# Altium PCB Gebru.PcbDoc (part 2 of 3)
Units mil, origin at the board's own origin, x right, y up, seen from the top; angles counter-clockwise.
Board outline 4231.75 x 4231.75 mil, 6 copper layers (Top Layer, GND, SL1, SL2, PWR, Bottom Layer), stack 58 mil thick; 203 components, 133 nets, 588 pads, 760 vias.
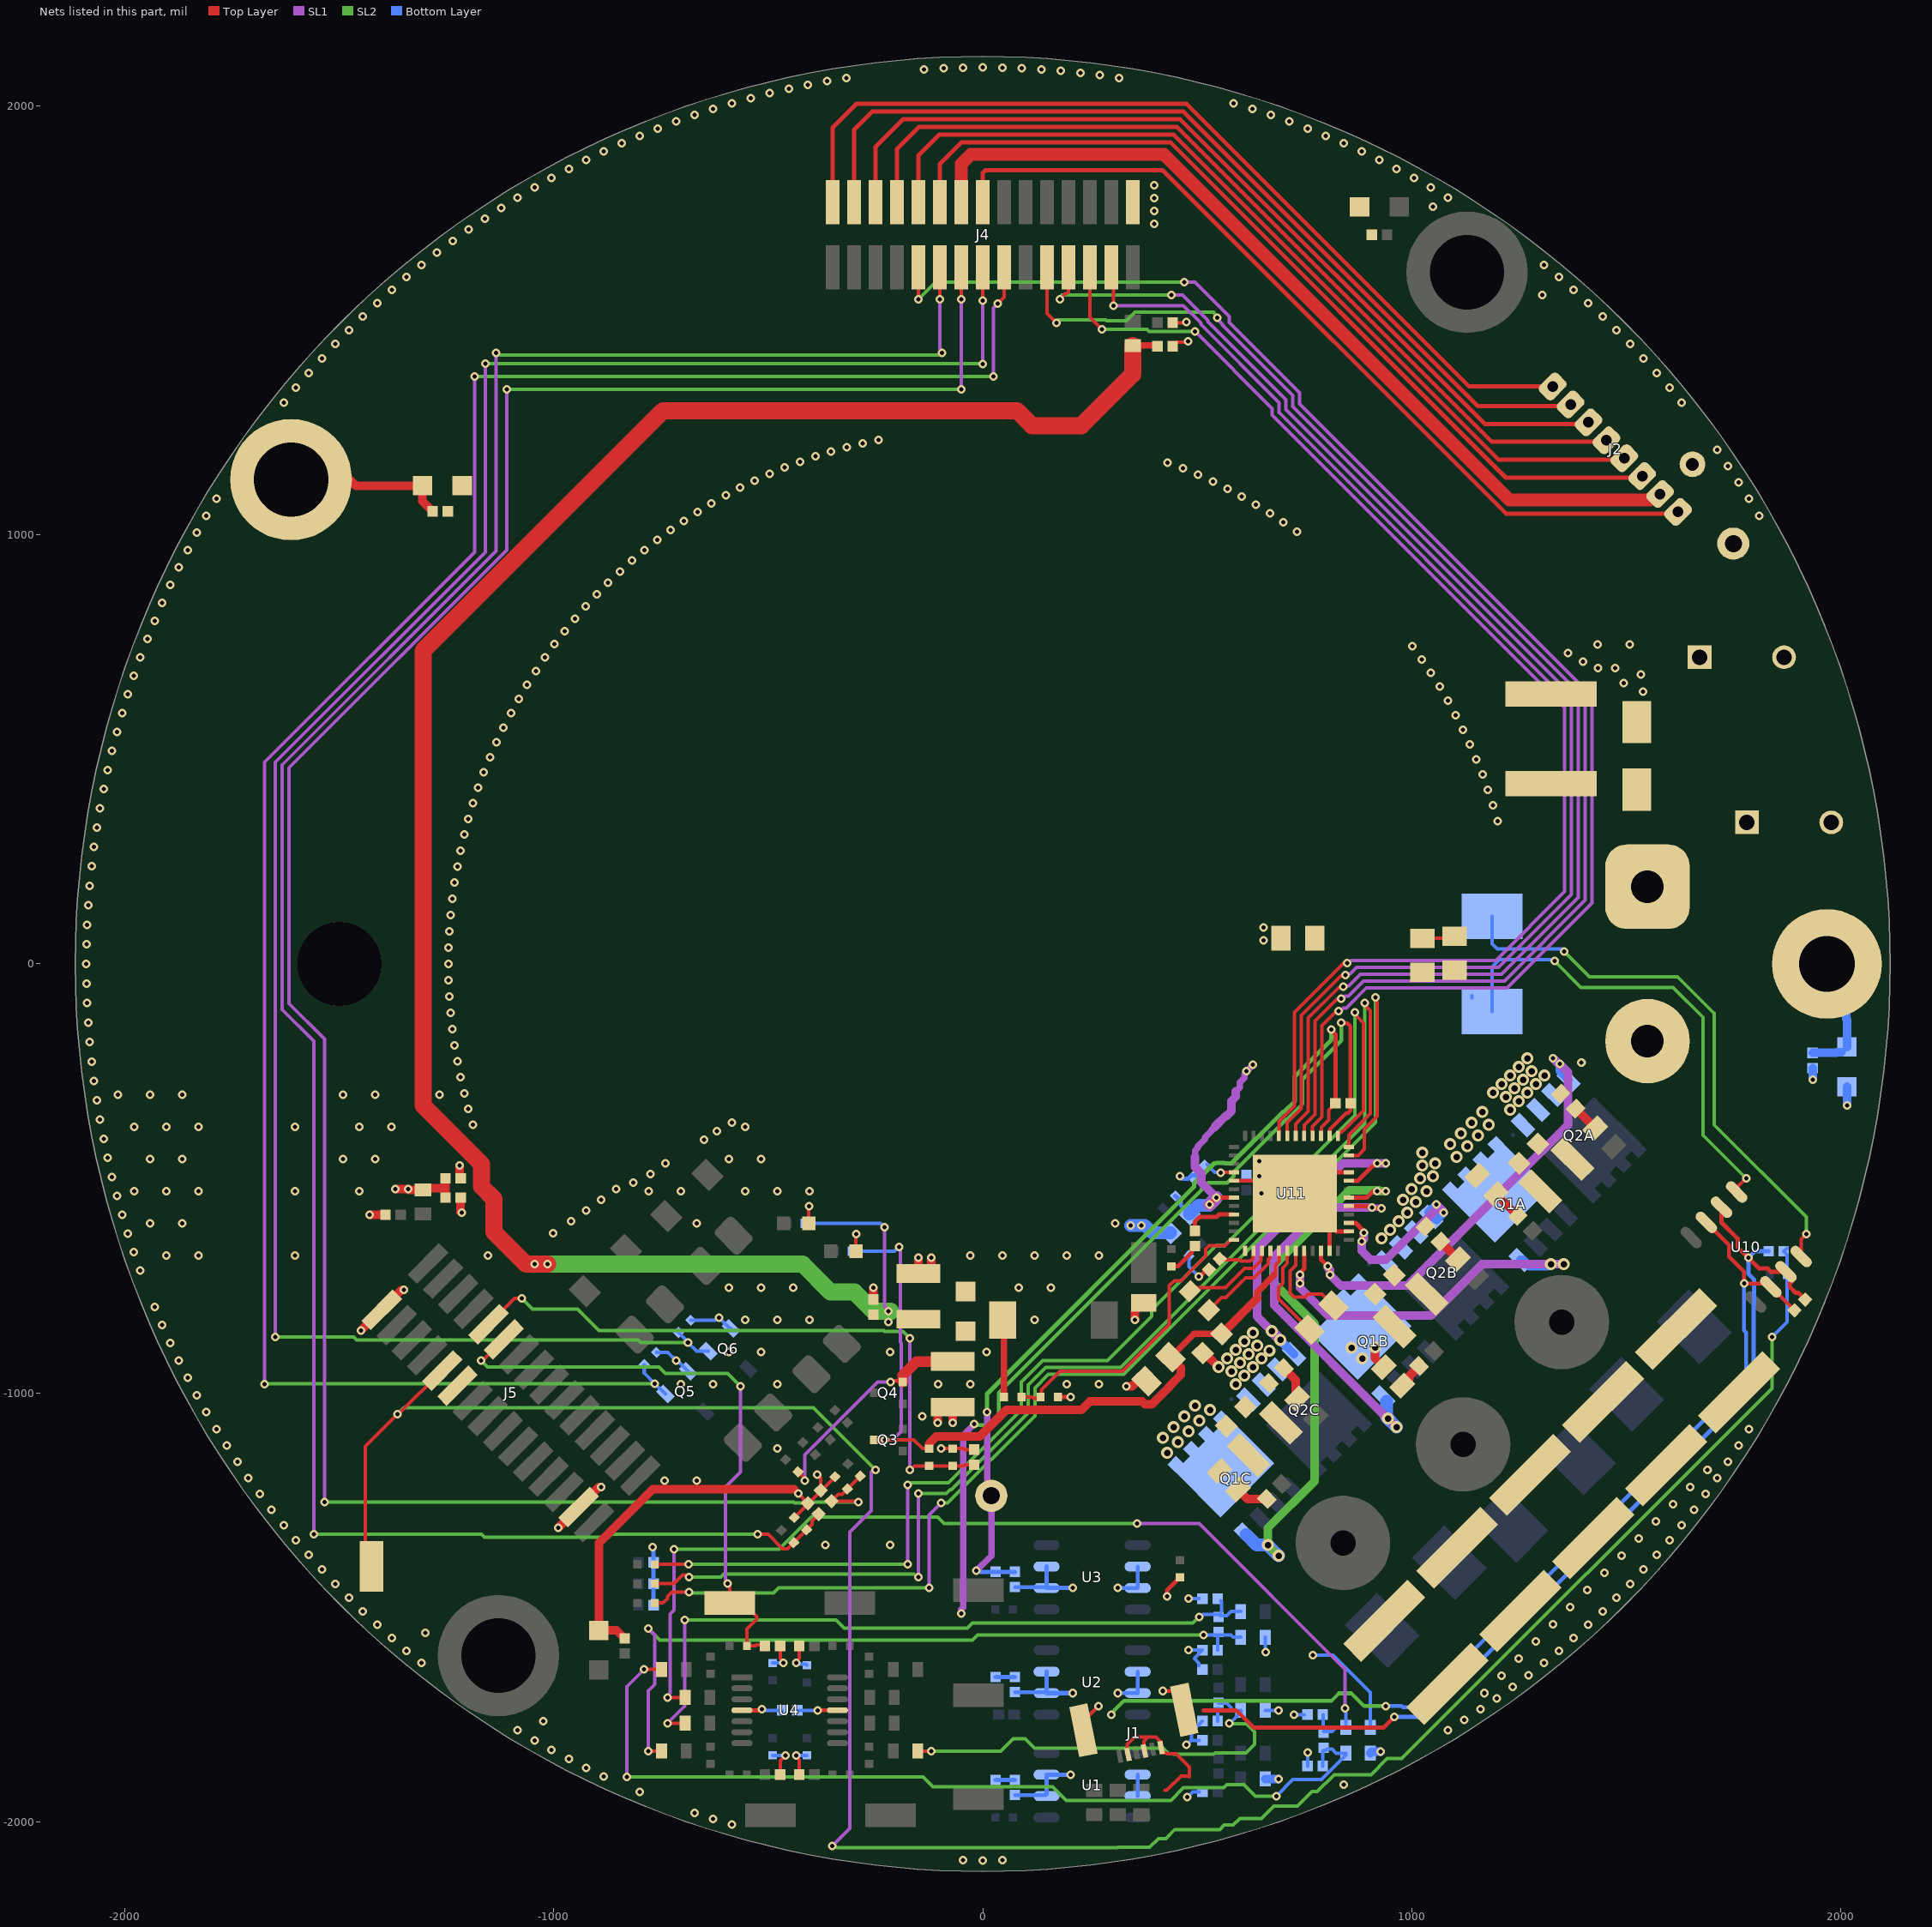
[diagram p6: the nets of this part, all layers, seen from the top]

## Part data (continued)
R23: library part 175, "SENSOR, THERMISTOR, NTC, 10K, 1%, 3380K, 100mW, 0402", Operating Temperature="-40°C ~ 125°C", Package=0402, Supplier Part Number 1=490-4801-1-ND, Category=Sensors, ComponentLink1Description=Datasheet, ComponentLink1URL=https://www.murata.com/en-us/api/pdfdownloadapi?cate=&partno=NCP15XH103F03RC, EES=550-00601-00, Height=0.55mm, HEIGHT (MAX)=0.55mm, HelpURL=https://www.digikey.com/product-detail/en/murata-electronics/NCP15XH103F03RC/490-4801-1-ND/1644682, ID=175, MFG="Murata Electronics", MFG P/N=NCP15XH103F03RC, Mounting Type="Surface Mount", RoHS Compliant=Yes, SENSOR TYPE="THERMISTOR NTC", Status=Released, Supplier 1=Digi-Key
R24A R24B R24C: library part R, "High power thick film 0805 resistor such as Vishay CRCW-HP e3 series CRCW08053R90DKEAHP", Power Rating=500mW, Temperature Coefficient=100ppm/°C, Tolerance=1%, Voltage Rating=150V, Resistance=3.9R, Size Code=0805
R27 R28 R30 R31 R34 R35 R37 R39 R41 R42 R44 R45 R48 R49 R51 R52: library part 6516, "RES, 100K, 1%, 1/10W, 0603, AUTO GRADE", Package=0603, Power=1/10W, Tolerance=1%, COMMON=470-00120-00, ID=6516, MFG=PANASONIC, MFG P/N=ERJ3EKF1003V, PROXY="Use ID #8458", Status=Released, XPN=470-00120-00
R54A R54B R54C: library part R, "High power thick film 0805 resistor such as Vishay CRCW-HP e3 series CRCW08052R00DKEAHP", Power Rating=500mW, Temperature Coefficient=100ppm/°C, Tolerance=1%, Voltage Rating=150V, Resistance=2R, Size Code=0805
R59: library part 8099, "RES, 56K, 1%, 1/16W, 0402", Package=0402, Power=1/16W, Tolerance=1%, COMMON=470-02723-00, ID=8099, MFG=VISHAY, MFG P/N=CRCW040256K0FKED, PROXY=470-16033-00, Status=Released, XPN=XS-10013985
R61: library part 9146, "RES, 6.19K, 1%, 1/16W, 0402", Package=0402, Power=1/16W, Supplier Part Number 1=311-6.19KLRCT-ND, Tolerance=1%, ComponentLink1Description=Datasheet, ComponentLink1URL=http://www.yageo.com/documents/recent/PYu-RC_Group_51_RoHS_L_10.pdf, Height=0.40mm, HelpURL=https://www.digikey.in/product-detail/en/yageo/RC0402FR-076K19L/311-6.19KLRCT-ND/2827950, ID=9146, MFG=Yageo, MFG P/N=RC0402FR-076K19L, PROXY=470-16530-00, Status=Released, Supplier 1=Digi-Key
R65 R66: library part 4849, "RES, 68.1K, 1%, 1/16W, 0402", Package=0402, Power=1/16W, Supplier Part Number 1=541-68.1KLCT-ND, Tolerance=1%, COMMON=470-03513-00, Height=0.40mm, ID=4849, MFG=VISHAY, MFG P/N=CRCW040268K1FKED, PROXY="Use ID #9218", Status=Released, Supplier 1=Digi-Key, XPN=470-03513-00
TP1 TP2: "PC TEST POINT TH RING", Color=Black, Manufacturer="Keystone Electronics", Manufacturer Part Number=5001, Part Number=250-00184-00, Supplier Part Number 1=5001K-ND, Category="Test and Measurement", ComponentLink1Description=http://www.keyelco.com/product-pdf.cfm?p=1310, ComponentLink1URL=http://www.keyelco.com/product-pdf.cfm?p=1310, Material="Base, Nylon 46, UL 94V-0", Mounting Type="0.040\" (1.02mm) Hole Diameter", Packaging=Bulk, Pricing 1="1=0.33, 10=0.309, 50=0.2252, 100=0.2164, 250=0.19432, 500=0.18548, 1000=0.15456, 2500=0.14131, 5000=0.13248 (USD)", RoHS="RoHS Compliant", Stock 1=341830, Supplier 1=Digi-Key, Terminal="0.010\" x 0.020\" (0.25mm x 0.51mm) Phosphor Bronze Wire, Silver Plate", Type="PC Test Point, Miniature"
TP3 TP4 TP5 TP6 TP7 TP8 TP9 TP10: "PC TEST POINT MINIATURE SMT", Color=-, Manufacturer="Keystone Electronics", Manufacturer Part Number=5015, Part Number=250-00207-00, Supplier Part Number 1=5015KCT-ND, Category="Test and Measurement", ComponentLink1Description=Datasheet, ComponentLink1URL=http://mail.keyelco.com/ENG._DEPT/PDF%20CAT%20NO%20Drawings/5015.pdf, Material="Phosphor Bronze", Mounting Type="Surface Mount", Packaging="Cut Tape (CT)", Pricing 1="1=0.44, 10=0.413, 50=0.301, 100=0.2891, 250=0.25964, 500=0.24784 (USD)", RoHS="RoHS Compliant", Stock 1=1322985, Supplier 1=Digi-Key, Terminal="0.010\" (0.25mm) Phosphor Bronze, Silver Plate", Type="PC Test Point, Miniature"
U1 U2 U3 U10: library part INA240A1, "Current Sense Amplifiers -4 to 80V, bidirectional, ultra-precise current sense amplifier with enhanced PWM rejection, 20V/V gain", Manufacturer="Texas Instruments", Supplier Part Number 1=296-51172-1-ND, Manufacturer Part Number=INA240A1D, Supplier 1=Digi-Key, Supplier 2=Mouser, Supplier 3=Farnell, Supplier Part Number 2=595-INA240A1D, Supplier Part Number 3=3005359
U4: library part MICROCHIP_MCP6064, "Microchip MCP6064-E/ST; Quad Op Amp; 0.73MHz CMOS; Rail to Rail; 3V; 5V; 14-Pin TSSOP", Case/Package=TSSOP, Input Bias Current=100pA, Input Offset Voltage (Vos)=150uV, Manufacturer=Microchip, Manufacturer Part Number=MCP6064-E/ST, Max Operating Temperature=125°C, Max Supply Voltage=6V, Min Operating Temperature=-40°C, Min Supply Voltage=1.8V, Nominal Supply Current=60uA, Output Current=27mA, Package Quantity=96, Power Supply Rejection Ratio (PSRR)=70dB, Supplier Part Number 1=MCP6064-E/ST-ND, Voltage Gain=115dB, Amplifier Type="GENERAL PURPOSE", Bandwidth=730kHz, Category="Amplifiers - Op Amps, Buffer, Instrumentation", Common Mode Rejection Ratio=72dB, ComponentLink1Description=http://www.microchip.com/mymicrochip/filehandler.aspx?ddocname=en528763, ComponentLink1URL=http://www.microchip.com/mymicrochip/filehandler.aspx?ddocname=en528763, ComponentLink2Description=https://datasheet.ciiva.com/8078/mcp6061-ds22189b-8078832.pdf?src-supplier=Element14, ComponentLink2URL=https://datasheet.ciiva.com/8078/mcp6061-ds22189b-8078832.pdf?src-supplier=Element14, ComponentLink3Description=https://datasheet.ciiva.com/1802/mcp6061-ds22189b-1802877.pdf?src-supplier=Digi-Key, ComponentLink3URL=https://datasheet.ciiva.com/1802/mcp6061-ds22189b-1802877.pdf?src-supplier=Digi-Key, ComponentLink4Description=https://datasheet.ciiva.com/11707/jp542225-11707116.pdf?src-supplier=Avnet, ComponentLink4URL=https://datasheet.ciiva.com/11707/jp542225-11707116.pdf?src-supplier=Avnet, ComponentLink5Description=https://datasheet.ciiva.com/5777/1062687-5777669.pdf?src-supplier=Farnell, ComponentLink5URL=https://datasheet.ciiva.com/5777/1062687-5777669.pdf?src-supplier=Farnell, ComponentLink6Description=https://datasheet.ciiva.com/16348/filehandler-aspxddocname-en542225-16348939.pdf?src-supplier=Future+Electronics, ComponentLink6URL=https://datasheet.ciiva.com/16348/filehandler-aspxddocname-en542225-16348939.pdf?src-supplier=Future+Electronics, Gain Bandwidth Product=730kHz, Height=1mm, Input Offset Voltage-Max=150uV, Lead Free="Lead Free", Length=5mm, Mount="Surface Mount", Number of Amplifiers=4, Number of Channels=4, Number of Circuits=4, Number of Elements=4, Number of Pins=14, Operating Supply Current=60uA, Output Current per Channel=27mA, Packaging=Rail/Tube, Pricing 1="1=1.83000, 25=1.52640, 100=1.42500 (USD)", Radiation Hardening=No, REACH SVHC="No SVHC", RoHS=Yes, RoHS Compliant=Yes, Slew Rate=0.25V/µs, Slew Rate-Nom=0.25V/µs, Stock 1=117, Supplier 1=Digi-Key, Supply Current=60uA, Technology=CMOS, Unity Gain Bandwidth Product=730kHz, Width=4.4mm
U5 U6: library part 276, "ISOLATOR, OPTOISOLATOR, PHOTO TRANSISTOR, 70V, 50mA, SMD-4", Package=4-SMD, Supplier Part Number 1=516-3136-1-ND, Category="Integrated Circuits (ICs)", ComponentLink1Description=Datasheet, ComponentLink1URL=https://docs.broadcom.com/doc/AV02-0265EN, EES=370-00610-00, Height=4.6mm, HelpURL=https://www.digikey.com/product-detail/en/broadcom-limited/HCPL-817-56CE/516-3136-1-ND/4969477, ID=276, MFG="Broadcom Limited", MFG P/N=HCPL-817-56CE, Mounting Type=SMD, RoHS Compliant=Yes, Status=Released, Supplier 1=Digi-Key
U11: library part 820, "IC, MOTOR DRIVER, DRV8353, MULTIPHASE, BLDC, HALF BRIDGE, POWER MOSFET, 6V TO 95V VIN, VQFN-48", Package="48-VQFN (7x7)", Supplier Part Number 1=296-50273-1-ND, Category="Integrated Circuits (ICs)", ComponentLink1Description=Datasheet, ComponentLink1URL=https://www.ti.com/lit/ds/symlink/drv8350.pdf?HQS=TI-null-null-digikeymode-df-pf-null-wwe&ts=1593096373926, EES=313-05801-00, Height=1mm, HelpURL=https://www.digikey.in/product-detail/en/texas-instruments/DRV8353RSRGZT/296-50273-1-ND/9654095, ID=820, MFG="Texas Instruments", MFG P/N=DRV8353RSRGZT, Mounting Type=SMD, RoHS Compliant=Yes, Status=Released, Supplier 1=Digi-Key

## Free pads (board coordinates)
  round 60 hole 30: 3(1655,1165)

## Via types
v1: diameter 20, hole 10, Top Layer to Bottom Layer, 617 vias
v2: diameter 20, hole 10, Top Layer to Bottom Layer, tented both sides, 73 vias
v3: diameter 28, hole 15, Top Layer to Bottom Layer, 70 vias

## Nets (pads, with @x,y where several pads share a name; then routed paths per layer and width w, separated by ;. In a path a pad name is that pad's centre, name@x,y a point inside that pad or via, vN(x,y) a via of type N, cw(c..) or ccw(c..) an arc to the next point about the centre after c; other vN are vias at no path point)
3V3A: C21.1 C30.1 C38.1 C39.1 C40.1 C46.1 C68.1 C69.1 FB6.2 U1.6 U1.7 U2.6 U2.7 U3.6 U3.7 U4.4 U10.3 U10.6 U11.26 | length 5292.5
  Top Layer w9: U11.26@808.58,-401.14 808.81,-400.92 808.81,-386.19 847.8,-347.2 852.44,-347.2 857.72,-341.93 C30.1@857.72,-325 857.72,-145.69 850.38,-138.36 837.26,-138.36 v1(836.2,-137.3) ; U10.3@1687.16,-602.51 1740,-655.36 1740,-682.39 1775,-717.39 v1(1775,-745) 1814.93,-745 1817.51,-742.42 1827.06,-742.42 U10.6@1837.49,-752.84 1837.79,-752.84 C21.1@1892.47,-807.53 C21.1@1892.47,-807.53
  Top Layer w10: U4.4@-561.22,-1740 -520.71,-1740 -517.71,-1737 v1(-515,-1737)
  Top Layer w20: v1(-1370,-525) v1(-1340,-525) -1338.15,-526.85 FB6.2@-1305,-526.85 -1300.65,-522.5 -1252.72,-522.5 ; C68.1@-1252.72,-545 -1252.72,-522.5 ; C69.1@-1252.72,-500 -1252.72,-522.5
  SL1 w15: v1(-50,-1515) -50,-1505 -45,-1500 -45,-1097.8 v1(-20,-1072.8)
  SL2 w9: v1(-20,-1072.8) -17.9,-1074.91 -10.12,-1074.91 -10.03,-1075 25,-1075 37.5,-1062.5 37.5,-999.78 510.5,-526.78 510.5,-524.5 525,-510 570,-510 585,-495 585,-485 707.7,-362.3 709.98,-362.3 745.5,-326.78 745.5,-269.25 836.2,-178.54 v1(836.2,-137.3) ; v1(300,-1750) 307.88,-1738.88 329.26,-1717.5 813.71,-1717.5 830.71,-1700.5 859.29,-1700.5 888.79,-1730 v1(940,-1730)
  Bottom Layer w8: v1(-515,-1737) -511.75,-1737 -508.75,-1740 C46.1@-467.72,-1740
  Bottom Layer w9: C38.1@75,-1937.72 U1.6@146.42,-1937.72 ; C39.1@75,-1697.72 146.42,-1697.72 U2.6@148.7,-1700 ; C40.1@75,-1452.72 146.42,-1452.72 U3.6@148.7,-1455 ; v1(940,-1730) 976.49,-1730 978.99,-1732.5 1012.5,-1732.5 1780,-965 1780,-858.99 1775,-853.99 v1(1775,-745)
  Bottom Layer w10: U1.6@146.42,-1937.72 148.7,-1935.43 U1.7@148.7,-1890 v1(205,-1890) ; U3.6@146.42,-1452.72 148.7,-1450.43 U3.7@148.7,-1405 ; U2.7@148.7,-1650 U2.6@148.7,-1700 v1(210,-1700) ; U3.6@148.7,-1455 v1(210,-1455)
24V0: C31.1 C32.1 C33.1 C66.1 FB5.2 Q4.S R2.2 R17.2 R57.2 | length 5456
  Top Layer w8: R57.2@-430.73,-1184.27 -417.3,-1197.7 -417.3,-1202.7 v1(-415,-1205) ; v1(-215,-975) -211.75,-975 -208.48,-971.72 -189.22,-971.72 Q4.S@-186.54,-974.41 ; C66.1@405.43,1441.85 C66.1@407.28,1440
  Top Layer w15: FB5.2@350,1441.85 C66.1@405.43,1441.85
  Top Layer w25: Q4.S@-186.54,-974.41 -186.36,-974.23 -186.36,-958.94 -168.92,-941.5 -154.27,-926.85 C32.1@-70,-926.85
  Top Layer w40: v1(-1015,-700) v1(-1045,-700) -1065,-700 -1140,-625 -1140,-547.62 -1168.59,-519.03 -1168.59,-466.41 -1305,-330 -1305,730 -745,1290 80,1290 115,1255 230,1255 350,1375 FB5.2@350,1441.85
  SL1 w8: v1(-415,-1205) -415,-1145 -245,-975 v1(-215,-975) ; v1(-228.67,-613.57) -228.67,-798.09 -220,-806.75 v1(-220,-810)
  SL2 w40: v1(-1045,-700) v1(-1015,-700) -420,-700 -355,-765 -298.74,-765 -253.74,-810 v1(-220,-810) -216.72,-810 v1@-215.86,-810.86 ; v1@-215.86,-810.86 -215,-810 v1@-215.86,-810.86
  Bottom Layer w8: R2.2@-414.33,-605 -239.35,-605 -230.78,-613.57 v1(-228.67,-613.57)
  other v1: -220,-835
24V0_RIPPLE: L10.2 R17.1 R20.2 | length 191.2
  Top Layer w15: L10.2@46.89,-820 49.82,-822.93 R20.2@49.82,-1010
24V0_SAFE: C16.1 C17.1 Q3.D R21.2 R59.2 U11.5 | length 1832.3
  Top Layer w8: v1(-227.64,-1109.34) -160.66,-1109.34 -140.18,-1129.82 R59.2@-125,-1129.82 ; 679.5,-724.12 683,-720.62 683,-701.39 690.47,-693.92 U11.5@690.47,-668.86
  Top Layer w15: Q3.D@-253.46,-1110 -228.3,-1110 v1(-227.64,-1109.34) ; C17.1@437.84,-917.16 492.27,-862.73 C16.1@557.27,-862.73 ; 640,-780 640,-765 679.5,-725.5 679.5,-724.12
  Top Layer w20: -125,-1120 -125,-1118.24 -108.76,-1102 -7.4,-1102 54.6,-1040 230,-1040 250,-1020 371.85,-1020 378.88,-1027.03 393.79,-1027.03 436.35,-984.47 436.35,-983.65 462.05,-957.95 462.05,-941.38 C17.1@437.84,-917.16 ; C16.1@557.27,-862.73 640,-780
  SL1 w8: v1(-227.64,-1109.34) -226.99,-1110 -210,-1110 -190,-1090 -190,-884.24 -192.22,-882.02 -192.22,-662.78 v1(-195,-660)
  Bottom Layer w8: R21.2@-304.33,-670 -205.69,-670 -195.69,-660 v1(-195,-660)
24V0_SAFE_ADC: C70.1 J5.10 R59.1 R61.2 | length 1507.4
  Top Layer w8: J5.10@-1152.06,-839.93 -1092.13,-780 v1(-1075,-780) ; v1(-170,-1180) -169.14,-1180 -159.31,-1170.18 R59.1@-125,-1170.18 R61.2@-70,-1170.18 -44.67,-1170.18 -42.2,-1167.72 C70.1@-20,-1167.72
  SL1 w8: v1(-170.22,-872.91) -170,-873.13 v1(-170,-1180)
  SL2 w8: v1(-1075,-780) -1050,-805 -945,-805 -895,-855 -231.11,-855 -229.11,-857 -186.13,-857 v1(-170.22,-872.91)
AGND: C21.2 C24.2 C27.2 C28.2 C29.2 C30.2 C38.2 C39.2 C40.2 C41.2 C42.2 C43.2 C46.2 C47.2 C52.2 C55.2 C59.2 C67.2 C68.2 C69.2 J1.1 J1.3 J1.5 J1.M1 J1.M2 J5.1 J5.27 R23.2 R32.1 R40.1 R46.1 R53.1 TP1.1 U1.2 U1.3 U2.2 U2.3 U3.2 U3.3 U4.11 U10.2 U10.7 U11.27 | length 6112.5
  Top Layer w8: C47.2@-472.28,-1890 -472.28,-1857.28 v1(-460,-1845) ; C52.2@-472.28,-1590 -472.28,-1619.47 -465,-1626.75 v1(-465,-1630) ; v1(-435,-1845) -435,-1848.25 -427.72,-1855.53 C55.2@-427.72,-1890 ; v1(-435,-1630) -435,-1626.75 -427.72,-1619.47 C59.2@-427.72,-1590 ; J1.5@338.62,-1843.02 336.98,-1841.38 336.98,-1819.87 354.22,-1802.64 384.95,-1802.64 ; J1.3@377.2,-1835.17 375.56,-1833.53 375.56,-1812.02 384.95,-1802.64 ; 425,-1926.85 429.13,-1926.85 462.77,-1893.22 480.5,-1893.22 482.28,-1895 482.28,-1872.8 450.49,-1841 429.46,-1841 427.86,-1839.4 420.71,-1839.4 415.78,-1834.47 J1.1@415.78,-1827.32 416.18,-1826.92 416.18,-1814.71 404.11,-1802.64 384.95,-1802.64 ; U11.27@788.9,-401.14 789.62,-400.42 789.62,-381.14 807,-363.76 807,-341.14 814.08,-334.06 814.08,-333.2 C30.2@822.28,-325
  Top Layer w9: v1(-385,-1740) U4.11@-338.78,-1740 ; J1.M2@234.78,-1786.81 234.78,-1765.22 v1(270,-1730) ; v1(420,-1695) 441.42,-1695 470.11,-1723.69 J1.M1@470.11,-1738.93
  Top Layer w10: v1(430,-1475) 430,-1460.18 R23.2@460,-1430.18 ; 515,-1740 591.03,-1740 631.03,-1780 935,-1780 v1(960,-1755) ; v1(813.06,-153.06) 813.06,-154.69 822.28,-163.91 C30.2@822.28,-325 ; U10.2@1722.51,-567.16 1722.51,-602.78 1760,-640.27 1760,-660 v1(1785,-685) 1809.92,-709.92 1829.65,-709.92 1837.22,-717.49 U10.7@1872.84,-717.49 1886.07,-730.71 1886.07,-740.34 1881.67,-744.74 1881.67,-753.02 1895.42,-766.77 1901.83,-766.77 C21.2@1917.53,-782.47
  Top Layer w20: v1(-1450,-855) J5.1@-1401.49,-806.52 -1354.97,-760 v1(-1350,-760) ; v1(-1430,-585) C67.2@-1392.72,-585 ; v1(-1220,-470) -1220,-487.02 -1219.49,-487.53 -1219.49,-497.8 C69.2@-1217.28,-500 ; C68.2@-1217.28,-545 -1217.28,-577.72 v1(-1215,-580) ; v1(-990,-1315) -941.88,-1266.88 J5.27@-941.88,-1266.14 -895.74,-1220 v1(-890,-1220)
  SL1 w15: v1(-15,-1414.44) -14.44,-1414.44 20,-1380 TP1.1@20,-1240 10,-1230 v1(10,-1045)
  SL2 w10: v1(10,-1045) 10,-1002.53 493,-519.53 493,-512 540,-465 543.85,-465 544.82,-464.04 563.87,-464.04 564.83,-465 580,-465 700.2,-344.8 702.73,-344.8 728,-319.53 728,-262 813.06,-176.94 v1(813.06,-153.06)
  Bottom Layer w8: R32.1@-490,-1845.18 -489.82,-1845 v1(-460,-1845) ; R40.1@-490,-1629.82 -489.91,-1629.91 -465.09,-1629.91 v1(-465,-1630) ; v1(-435,-1845) -434.91,-1845.09 -410.09,-1845.09 R46.1@-410,-1845.18 ; v1(-435,-1630) -432.7,-1632.3 -412.53,-1632.3 R53.1@-410,-1634.82 ; C46.2@-432.28,-1740 v1(-385,-1740)
  Bottom Layer w9: v1(315,-1700) U2.3@361.3,-1700 U2.2@361.3,-1650 ; v1(315,-1455) U3.3@361.3,-1455 U3.2@361.3,-1405 ; U1.3@361.3,-1940 U1.2@361.3,-1890
  Bottom Layer w10: v1(-770,-1360) -768.09,-1361.91 -768.09,-1368.98 -767.28,-1369.79 C27.2@-767.28,-1395 C28.2@-767.28,-1445 C29.2@-767.28,-1495 ; v1(-15,-1414.44) -13.09,-1416.35 -6.02,-1416.35 -5.09,-1417.28 C43.2@30,-1417.28 C40.2@75,-1417.28 ; C41.2@30,-1902.28 C38.2@75,-1902.28 ; C42.2@30,-1662.28 C39.2@75,-1662.28 ; v1(960,-1755) 1030,-1755 1797.5,-987.5 1797.5,-855.03 1797,-854.53 1797,-795.5 1798,-794.5 1798,-735.47 1785,-722.47 v1(1785,-685) 1800,-670 C24.2@1832.28,-670
  other v1: -45.59,-2089.5 0,-2090 45.59,-2089.5 -584.84,-2006.5 -628.48,-1993.27 -671.81,-1979.08 -799.81,-1930.91 -883.27,-1894.18 -924.38,-1874.46 -965.05,-1853.85 -1005.27,-1832.36 -1045,-1809.99 -1084.24,-1786.77 -1025,-1765 -1308.18,-1629.96 -1343.43,-1601.03 -1378.03,-1571.35 -1300,-1560 -1411.98,-1540.91 -1445.26,-1509.74 -1477.85,-1477.85 -1509.74,-1445.26 -1540.91,-1411.98 -1571.35,-1378.03 -1601.03,-1343.43 -1629.96,-1308.18 -1658.11,-1272.31 -1685.47,-1235.84 -1712.03,-1198.77 -1737.77,-1161.14 -1762.69,-1122.96 -1786.77,-1084.24 -1809.99,-1045 -1832.36,-1005.27 -1853.85,-965.05 -1874.46,-924.38 -1894.18,-883.27 -1913,-841.74 -1930.91,-799.81
BST: C26.1 U11.45 | length 120
  Top Layer w10: C26.1@495,-622.28 495,-600.08 505.08,-590 544.93,-590 545,-590.07 550.86,-584.21 U11.45@586.14,-584.21
CUR_HOTEL: J5.11
ENC_5V: J2.1 J4.15 | length 2024.3
  Top Layer w10: J4.15@0,1776.38 0,1844.2 5.86,1850.06 419.94,1850.06 1219.86,1050.14 1617.45,1050.14 J2.1@1621.15,1053.85
ENC_CLK: J2.5 J4.23 | length 2104.4
  Top Layer w10: J4.23@-200,1776.38 -200,1900 -149,1951 453.09,1951 1186.91,1217.17 1450.42,1217.17 J2.5@1454.12,1220.88
ENC_CS: J2.6 J4.25 | length 2113.1
  Top Layer w10: J4.25@-250,1776.38 -250,1905 -186,1969 460.54,1969 1170.61,1258.93 1408.66,1258.93 J2.6@1412.36,1262.64
ENC_GND: J2.2 J4.17 | length 2066.3
  Top Layer w30: J4.17@-50,1776.38 -50,1865 -28,1887 423,1887 1228.1,1081.9 1546.52,1081.9 1546.78,1082.16 1555.34,1082.16 1568.79,1095.6 J2.2@1579.4,1095.6
ENC_MISO: J2.7 J4.27 | length 2142.4
  Top Layer w10: J4.27@-300,1776.38 -300,1945 -258,1987 468,1987 1154.31,1300.69 1366.9,1300.69 J2.7@1370.6,1304.4
ENC_MOSI: J2.8 J4.29 | length 2150.6
  Top Layer w10: J4.29@-350,1776.38 -350,1950 -295,2005 475.46,2005 1134.3,1346.15 1298.95,1346.15 1301.86,1343.24 1325.93,1343.24 J2.8@1328.85,1346.15
ENC_TMP1: J2.3 J4.19 | length 2072.1